# Altium PCB MercurialSDR.PcbDoc (part 2 of 2)
Units mil, origin at the board's own origin, x right, y up, seen from the top; angles counter-clockwise.
Board outline 3937.01 x 2362.2 mil, 2 copper layers (Top Layer, Bottom Layer); 146 components, 115 nets, 574 pads, 237 vias.
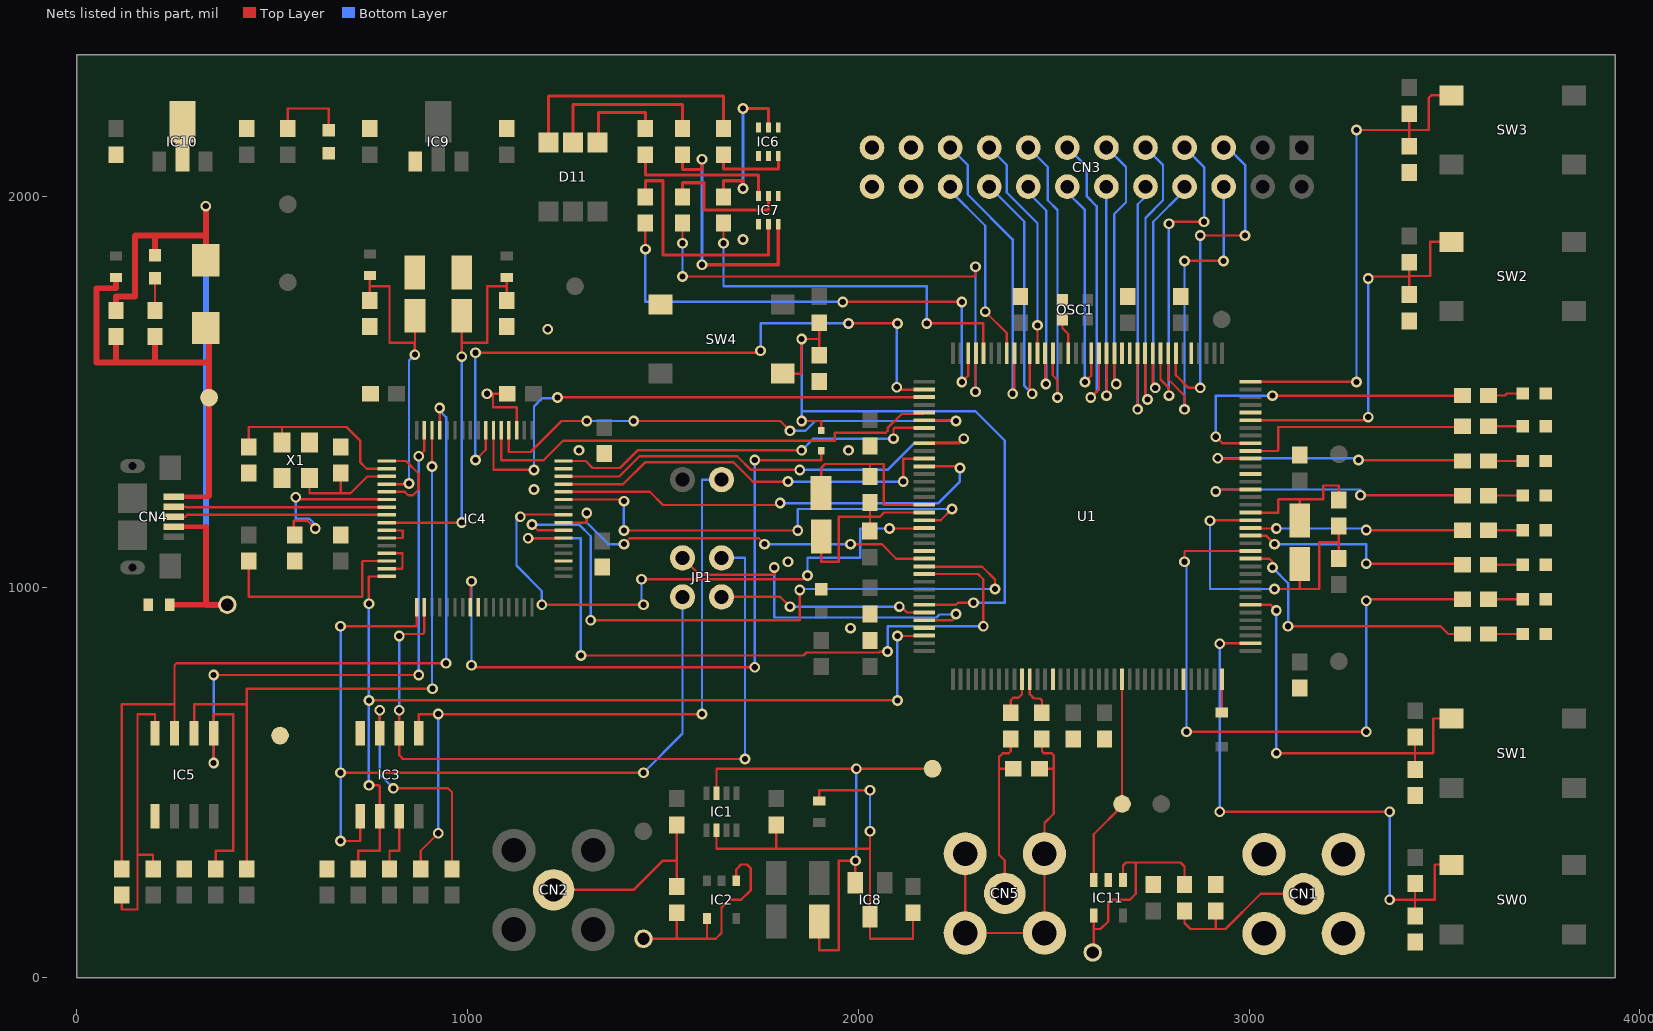
[diagram p2: the nets of this part, all layers, seen from the top]

## Via types
v1: diameter 27.56, hole 15.75, Top Layer to Bottom Layer, tented both sides, 237 vias

## Nets (pads, with @x,y where several pads share a name; then routed paths per layer and width w, separated by ;. In a path a pad name is that pad's centre, name@x,y a point inside that pad or via, vN(x,y) a via of type N, cw(c..) or ccw(c..) an arc to the next point about the centre after c; other vN are vias at no path point) (continued)
GND: C1.2 C3.2 C4.2 C5.2 C6.2 C7.2 C8.2 C9.1 C10.1 C11.1 C12.1 C13.1 C18.1 C19.2 C20.2 C21.2 C22.2 C23.2 C24.2 C25.2 C26.2 C27.2 C28.2 C29.1 C30.2 C36.2 C38.2 C39.2 C40.2 C41.2 C42.1 CN1.2 CN3.21 CN3.22 CN3.23 CN3.24 D0.2 D1.2 D2.2 D3.2 D4.2 D5.2 D6.2 D7.2 D9.2 D14.2 FB4.2 FB5.1 IC1.6 IC3.4 IC4.1 IC4.5 IC4.10 IC4.11 IC4.13 IC4.15 IC4.25 IC4.35 IC4.47 IC4.51 IC5.5 IC6.1 IC6.3 IC6.4 IC6.5 IC7.1 IC7.4 IC8.3 IC9.1 IC10.2 IC11.2 OSC1.2 R10.2 R19.1 R26.1 R29.1 R32.1 R39.2 SW4.4 TP15.1 U1.5 U1.13 U1.14 U1.59 U1.69 U1.86 U1.103 U1.132 U1.140 X1.2 X1.4 | length 1857.1
  Top Layer w6: IC4.15@792.69,1047.05 832.05,1047.05 833.58,1048.58 833.58,1086.42 IC4.13@792.69,1086.42 ; IC4.11@792.69,1125.79 834.21,1125.79 834.21,1145 793.16,1145 IC4.10@792.69,1145.47 ; IC4.5@792.69,1243.9 838.89,1243.9 847.78,1235 860,1235 875,1250 875,1290 842.36,1322.64 IC4.1@792.69,1322.64 ; C26.2@1101.54,1495 1065,1495 1065,1460 1125,1460 1125.37,1459.63 IC4.51@1125.37,1401.38 ; IC1.6@1637.2,377.76 1637.2,330 1790,330 ; C1.2@1790,391.54 1790,330 ; FB5.1@1900,452.56 1900,480 v1(2030,480) ; v1(2030,375) 2030,330 ; C36.2@2140,166.54 2140,100 2030,100 IC8.3@2030,156.69 2030,330 ; 1790,330 2030,330
  Bottom Layer w6: v1(2030,375) v1(2030,480)
  other v1: 1980,895 1820,1065 1170,1250 1285,1350 1975,1350 1050,1495 1205,1660 1705,1890
MISO_ICE: JP1.1 U1.68 | length 977.7
  Top Layer w6: JP1.1@1567,1075 JP1.1@1550,1075 1593,1032 1785,1032 v1(1785,1050) ; U1.68@2169.13,915.35 2240.35,915.35 2250.35,925.35 v1(2250.35,931.01)
  Bottom Layer w6: v1(1785,1050) 1785,922.2 2200,922.2 2207.8,930 2251.37,930 v1(2250.35,931.01)
MISO_S: IC3.2 IC4.18 JP1.2 | length 1901.6
  Top Layer w6: v1(825,685) IC3.2@825,626.3 825,570 835,560 v1(1710,560) ; v1(825,875) 830,880 885,880 889.15,884.15 IC4.18@889.15,948.62
  Bottom Layer w6: v1(825,685) v1(825,875) ; JP1.2@1650,1075 1710,1075 v1(1710,560)
MOSI_ICE: JP1.4 U1.67 | length 535.7
  Top Layer w6: JP1.4@1650,975 1800,975 v1(1825,950) ; v1(2105,950) 2110,950 2124.96,935.04 U1.67@2169.13,935.04
  Bottom Layer w6: v1(1825,950) v1(2105,950)
MOSI_S: IC3.5 IC4.17 JP1.3 | length 2174
  Top Layer w6: v1(675,350) 725,350 IC3.5@725,413.7 ; v1(675,525) v1(1450,525) ; v1(675,900) 870,900 870,948.08 IC4.17@869.46,948.62
  Bottom Layer w6: v1(675,350) v1(675,525) v1(675,900) ; v1(1450,525) 1550,625 JP1.3@1550,975
NetC8_1: C8.1 D8.1 R2.2 SW4.1 U1.66 | length 1722.5
  Top Layer w6: SW4.1@1806.5,1546.42 1853.58,1546.42 1853.58,1633.58 v1(1855,1635) 1900,1635 ; v1(1855,1425) 1905,1425 D8.1@1905,1400.98 ; C8.1@1900,1593.46 1900,1635 ; R2.2@1900,1676.54 1900,1635 ; U1.66@2169.13,954.72 2249.72,954.72 2255,960 v1(2295,960)
  Bottom Layer w6: v1(1855,1425) 1855,1450 ; v1(1855,1635) 1855,1450 ; v1(2295,960) 2375,960 2375,1375 2300,1450 1855,1450
NetC14_1: C14.1 C16.1 R4.1 U1.54 | length 520.9
  Top Layer w6: C14.1@1905.2,1129.49 1905,1129.29 1905,1065 1950,1065 1950,1180.3 2030,1180.3 ; R4.1@2030,1144.06 2030,1180.3 ; C16.1@2030,1216.54 2030,1180.3 ; U1.54@2169.13,1190.94 2065.94,1190.94 2055.3,1180.3 2030,1180.3
NetC14_2: C14.2 C16.2 U1.53 | length 469.8
  Top Layer w6: C14.2@1904.8,1240.51 1904.8,1305 1914.8,1315 2030,1315 ; C16.2@2030,1283.46 2030,1315 ; U1.53@2169.13,1210.63 2168.5,1210 2065,1210 2065,1315 2030,1315
NetC15_1: C15.1 C17.1 R5.2 U1.126 | length 876.7
  Top Layer w6: v1(2900,1170) 2901.26,1171.26 U1.126@3003.77,1171.26 ; v1(3065,995) v1(3065,995) 3130.04,995.04 ; C15.1@3130.04,1059.49 3130.04,995.04 ; 3179.96,1114.96 3179.96,995.04 3130.04,995.04 ; 3180,1115 3230,1115 ; R5.2@3230,1073.46 3230,1115 ; C17.1@3230,1156.54 3230,1115
  Bottom Layer w6: v1(2900,1170) 2900,995 v1(3065,995)
NetC15_2: C15.2 C17.2 U1.127 | length 387.1
  Top Layer w6: U1.127@3003.77,1190.94 3004.72,1190 3075,1190 3075,1224.3 3075.35,1224.65 3129.65,1224.65 ; C15.2@3129.65,1170.51 3129.65,1224.65 ; C17.2@3230,1223.46 3230,1260 3190,1260 3190,1224.65 3129.65,1224.65
NetC21_1: C21.1 C22.1 FB2.2 IC4.4 | length 817.7
  Top Layer w6: C22.1@750,1733.46 750,1770 ; FB2.2@750,1797.44 750,1770 ; IC4.4@792.69,1263.58 848.58,1263.58 v1(850,1265) ; v1(865,1595) 865,1625 ; C21.1@865.2,1694.49 865.2,1625.2 865,1625 ; 750,1770 800,1770 800,1625 865,1625
  Bottom Layer w6: v1(850,1265) 850,1580 v1(865,1595)
NetC23_1: C23.1 C24.1 FB1.2 IC4.9 | length 1040.5
  Top Layer w6: IC4.9@792.69,1165.16 v1(984.84,1165.16) ; v1(984.84,1589.84) 984.84,1624.49 985.2,1624.84 985.2,1625.2 ; C24.1@985.2,1694.49 985.2,1625.2 ; C23.1@1100,1733.46 1100,1770 ; FB1.2@1100,1792.44 1100,1770 ; 985.2,1625.2 985.39,1625 1050,1625 1050,1770 1100,1770
  Bottom Layer w6: v1(984.84,1165.16) v1(984.84,1589.84)
NetC28_1: C28.1 IC4.2 X1.1 | length 520.1
  Top Layer w6: C28.1@440,1358.46 440,1410 525,1410 ; X1.1@525,1370.71 525,1410 ; IC4.2@792.69,1302.95 742.05,1302.95 725,1320 725,1375 690,1410 525,1410
NetC29_2: C29.2 IC4.3 X1.3 | length 305.6
  Top Layer w6: X1.3@595.43,1279.72 595.43,1240.43 674.57,1240.43 ; C29.2@675,1291.54 675,1240.87 674.57,1240.43 ; IC4.3@792.69,1283.27 743.27,1283.27 700.43,1240.43 674.57,1240.43
NetC31_2: C31.2 R19.2 SW0.4 U1.110 | length 1501.5
  Top Layer w6: v1(2925,425) v1(3360,425) ; v1(2925,855) 2926.3,856.3 U1.110@3003.77,856.3 ; v1(3360,200) 3425,200 ; R19.2@3425,158.46 3425,200 ; C31.2@3425,241.54 3425,200 ; SW0.4@3518.5,288.58 3517.09,290 3475,290 3475,200 3425,200
  Bottom Layer w6: v1(2925,425) v1(2925,855) ; v1(3360,200) v1(3360,425)
NetC32_2: C32.2 R26.2 SW1.4 U1.115 | length 1056.7
  Top Layer w6: U1.115@3003.77,954.72 3055.28,954.72 v1(3070,940) ; v1(3070,575) 3425,575 ; R26.2@3425,533.46 3425,575 ; C32.2@3425,616.54 3425,575 ; SW1.4@3518.5,663.58 3471.42,663.58 3471.42,576.42 3470,575 3425,575
  Bottom Layer w6: v1(3070,575) v1(3070,940)
NetC33_2: C33.2 R29.2 SW2.4 U1.139 | length 1045.9
  Top Layer w6: U1.139@3003.77,1427.17 3297.17,1427.17 v1(3305,1435) ; v1(3305,1790) 3310,1795 3410,1795 ; R29.2@3410,1748.46 3410,1795 ; C33.2@3410,1831.54 3410,1795 ; SW2.4@3518.5,1883.58 3463.58,1883.58 3463.58,1796.42 3411.42,1796.42 3410,1795
  Bottom Layer w6: v1(3305,1435) v1(3305,1790)
NetC34_2: C34.2 R32.2 SW3.4 U1.144 | length 1327.9
  Top Layer w6: U1.144@3003.77,1525.59 3274.41,1525.59 v1(3275,1525) ; v1(3275,2170) 3410,2170 ; R32.2@3410,2128.46 3410,2170 ; C34.2@3410,2211.54 3410,2170 ; SW3.4@3518.5,2258.58 3466.42,2258.58 3460,2252.17 3460,2170 3410,2170
  Bottom Layer w6: v1(3275,1525) v1(3275,2170)
NetCN1_1: CN1.1 R38.2 R39.1 | length 426.3
  Top Layer w6: R38.2@2835,171.54 2835,140 2850,125 2915,125 ; R39.1@2915,171.54 2915,125 ; CN1.1@3139.73,215 3030,215 2940,125 2915,125
NetCN2_1: CN2.1 R40.2 R41.1 | length 504.1
  Top Layer w6: CN2.1@1220,225 1425,225 1500,300 1535,300 ; R40.2@1535,233.46 1535,300 ; R41.1@1535,391.54 1535,300
NetCN3_5: CN3.5 U1.7 | length 890.4
  Top Layer w6: U1.7@2812.83,1598.43 2812.83,1542.17 2845,1510 v1(2875,1510) ; v1(2875,1900) v1(2990,1900)
  Bottom Layer w6: v1(2875,1510) v1(2875,1900) ; CN3.5@2935,2125 2945,2125 2990,2080 v1(2990,1900)
NetCN3_6: CN3.6 U1.8 | length 830.8
  Top Layer w6: U1.8@2793.14,1598.43 2793.14,1531.86 2835,1490 v1(2835,1455) ; v1(2835,1835) v1(2935,1835)
  Bottom Layer w6: v1(2835,1455) v1(2835,1835) ; v1(2935,1835) CN3.6@2935,2025
NetCN3_7: CN3.7 U1.9 | length 860.1
  Top Layer w6: U1.9@2773.46,1598.43 2773.46,1531.54 2795,1510 v1(2795,1490) ; v1(2795,1930) 2800,1935 v1(2885,1935)
  Bottom Layer w6: v1(2795,1490) v1(2795,1930) ; CN3.7@2835,2125 2885,2075 v1(2885,1935)
NetCN3_8: CN3.8 U1.10 | length 641.2
  Top Layer w6: U1.10@2753.77,1598.43 2753.77,1516.23 v1(2760,1510)
  Bottom Layer w6: v1(2760,1510) 2755,1515 2755,1935 2835,2015 CN3.8@2835,2025
NetCN3_9: CN3.9 U1.11 | length 805.2
  Top Layer w6: U1.11@2734.09,1598.43 2734.09,1485.91 v1(2740,1480)
  Bottom Layer w6: CN3.9@2735,2125 2780,2080 2780,1990 2735,1945 2735,1485 v1(2740,1480)
NetCN3_10: CN3.10 U1.12 | length 722
  Top Layer w6: U1.12@2714.4,1598.43 2714.4,1455.6 v1(2715,1455)
  Bottom Layer w6: v1(2715,1455) 2715,1980 2735,2000 CN3.10@2735,2025
NetCN3_11: CN3.11 U1.15 | length 720.6
  Top Layer w6: U1.15@2655.35,1598.43 2655.35,1524.65 v1(2660,1520)
  Bottom Layer w6: CN3.11@2635,2125 2685,2075 2685,1985 2655,1955 2655,1525 v1(2660,1520)
NetCN3_12: CN3.12 U1.16 | length 643.7
  Top Layer w6: v1(2635,1490) 2635.66,1490.66 U1.16@2635.66,1598.43
  Bottom Layer w6: v1(2635,1490) CN3.12@2635,2025
NetCN3_13: CN3.13 U1.17 | length 799.4
  Top Layer w6: v1(2595,1485) 2615.98,1505.98 U1.17@2615.98,1598.43
  Bottom Layer w6: CN3.13@2535,2125 2585,2075 2585,2000 2610,1975 2610,1500 v1(2595,1485)
NetCN3_14: CN3.14 U1.18 | length 598.8
  Top Layer w6: v1(2580,1525) 2596.29,1541.29 U1.18@2596.29,1598.43
  Bottom Layer w6: CN3.14@2535,2025 2535,2010 2580,1965 v1(2580,1525)
NetCN3_15: CN3.15 U1.23 | length 789.5
  Top Layer w6: U1.23@2497.87,1598.43 2497.87,1542.13 2510,1530 v1(2510,1485)
  Bottom Layer w6: CN3.15@2435,2125 2485,2075 2485,1990 2510,1965 v1(2510,1485)
NetCN3_16: CN3.16 U1.24 | length 603.9
  Top Layer w6: U1.24@2478.18,1598.43 2478.18,1521.82 v1(2480,1520)
  Bottom Layer w6: CN3.16@2435,2025 2435,2010 2481.28,1963.72 2481.28,1521.28 v1(2480,1520)
NetCN3_17: CN3.17 U1.25 | length 576.3
  Top Layer w6: U1.25@2458.5,1598.43 v1(2458.5,1670)
  Bottom Layer w6: CN3.17@2335,2125 2380,2080 2380,2010 2457.5,1932.5 ; v1(2458.5,1670) 2458.5,1931.5
NetCN3_18: CN3.18 U1.26 | length 681.6
  Top Layer w6: U1.26@2438.81,1598.43 2438.81,1501.19 v1(2445,1495)
  Bottom Layer w6: CN3.18@2335,2025 2425,1935 2425,1515 v1(2445,1495)
NetCN3_19: CN3.19 U1.28 | length 801.5
  Top Layer w6: v1(2395,1495) 2399.44,1499.44 U1.28@2399.44,1598.43
  Bottom Layer w6: CN3.19@2235,2125 2280,2080 2280,2005 2395,1890 v1(2395,1495)
NetCN3_20: CN3.20 U1.29 | length 486.5
  Top Layer w6: v1(2325,1705) 2379.76,1650.24 U1.29@2379.76,1598.43
  Bottom Layer w6: CN3.20@2235,2025 2235,2015 2325,1925 v1(2325,1705)
NetD0_1: D0.1 R18.1 | length 87
  Top Layer w6: R18.1@3613.46,880 D0.1@3700.47,880
NetD1_1: D1.1 R20.1 | length 87
  Top Layer w6: R20.1@3613.46,968.57 D1.1@3700.47,968.57
NetD2_1: D2.1 R24.1 | length 87
  Top Layer w6: R24.1@3613.46,1057.14 D2.1@3700.47,1057.14
NetD3_1: D3.1 R25.1 | length 87
  Top Layer w6: R25.1@3613.46,1145.71 D3.1@3700.47,1145.71
NetD4_1: D4.1 R27.1 | length 87
  Top Layer w6: R27.1@3613.46,1234.29 D4.1@3700.47,1234.29
NetD5_1: D5.1 R28.1 | length 87
  Top Layer w6: R28.1@3613.46,1322.86 D5.1@3700.47,1322.86
NetD6_1: D6.1 R30.1 | length 87
  Top Layer w6: R30.1@3613.46,1411.43 D6.1@3700.47,1411.43
NetD7_1: D7.1 R31.1 | length 89.1
  Top Layer w6: R31.1@3613.46,1490.38 3655.38,1490.38 3660.5,1495.5 D7.1@3700.47,1495.5
NetD10_2: D10.2 U1.108 | length 85.3
  Top Layer w6: D10.2@2930,678.9 2930.94,679.84 U1.108@2930.94,763.78
NetD11_1: D11.1 R17.1 | length 238.8
  Top Layer w8: D11.1@1332.99,2138.58 1335,2140.59 1335,2215 1455,2215 R17.1@1455,2173.46
NetD11_2: D11.2 R16.1 | length 438
  Top Layer w8: D11.2@1270,2138.58 1270,2235 1550,2235 R16.1@1550,2173.46
NetD11_3: D11.3 R15.1 | length 650
  Top Layer w8: D11.3@1207.01,2138.58 1207.01,2257.01 1655,2257.01 R15.1@1655,2173.46
NetD13_1: D13.1 R33.2 | length 82
  Top Layer w6: R33.2@200,1708.46 D13.1@200,1790.47
NetD14_1: D14.1 R34.2 | length 212
  Top Layer w6: R34.2@540,2173.46 540,2225 645,2225 D14.1@645,2169.53
NetIC2_1: IC2.1 IC2.4 R40.1 TP2.1 | length 614.3
  Top Layer w6: TP2.1@1450,100 1535,100 ; R40.1@1535,166.54 1535,100 ; IC2.4@1612.6,151.77 1612.6,100 ; IC2.1@1687.4,248.23 1687.4,277.4 1700,290 1715,290 1725,280 1725,225 1700,200 1670,200 1650,180 1650,115 1635,100 1612.6,100 ; 1535,100 1612.6,100
NetIC3_1: IC3.1 JP2.1 R8.1 | length 1838.9
  Top Layer w6: IC3.1@875,626.3 875,675 v1(925,675) v1(1600,675) ; R8.1@880,278.46 880,325 v1(925,370)
  Bottom Layer w6: v1(925,370) v1(925,675) ; v1(1600,675) 1600,1275 JP2.1@1650,1275
NetIC3_3: IC3.3 R6.2 | length 623.9
  Top Layer w6: IC3.3@775,626.3 v1(775,685) ; v1(810,485) 950,485 960,475 R6.2@960,278.46
  Bottom Layer w6: v1(775,685) 775,520 v1(810,485)
NetIC3_7: IC3.7 R7.2 | length 160.2
  Top Layer w6: R7.2@800,278.46 800,325 825,325 IC3.7@825,413.7
NetIC4_6: IC4.6 R10.1 | length 460.1
  Top Layer w6: R10.1@557.5,1133.46 555,1135.96 555,1170 590,1170 v1(610,1150) ; v1(560,1230) 560,1225 791.9,1225 IC4.6@792.69,1224.21
  Bottom Layer w6: v1(560,1230) 560,1175 595,1175 610,1160 v1(610,1150)
NetIC4_14: IC4.14 R9.1 | length 534.9
  Top Layer w6: R9.1@440,1066.54 440,975 730,975 730,1065 731.73,1066.73 IC4.14@792.69,1066.73
NetIC4_38: IC4.38 U1.62 | length 1901.4
  Top Layer w6: v1(1155,1125) 1155.79,1125.79 IC4.38@1245.45,1125.79 ; v1(1290,825) 1860,825 1867.61,832.61 2053.5,832.61 2055.88,835 v1(2075,835) ; U1.62@2169.13,1033.46 2306.54,1033.46 2320,1020 v1(2320,900)
  Bottom Layer w6: v1(1155,1125) 1290,1125 v1(1290,825) ; v1(2075,835) 2075,900 v1(2320,900)
NetIC4_39: IC4.39 U1.61 | length 1799.2
  Top Layer w6: v1(1165,1160) 1179.53,1145.47 IC4.39@1245.45,1145.47 ; v1(1315,915) 1850,915 v1(1850,992.5) ; U1.61@2169.13,1053.15 2170.06,1052.22 2317.2,1052.22 2350,1019.42 v1(2350,995)
  Bottom Layer w6: v1(1165,1160) 1285,1160 1315,1130 v1(1315,915) ; v1(1850,992.5) 1850,995 1851.3,996.3 1852.6,995 v1(2350,995)
NetIC4_40: IC4.40 U1.60 | length 1024
  Top Layer w6: IC4.40@1245.45,1165.16 1304.84,1165.16 1305,1165.32 v1(1305,1190) ; v1(1400,1110) 1415,1125 1745,1125 v1(1760,1110) ; v1(1980,1110) 2060,1110 2097.17,1072.83 U1.60@2169.13,1072.83
  Bottom Layer w6: v1(1305,1190) 1305,1165 1360,1110 v1(1400,1110) ; v1(1760,1110) v1(1980,1110)
NetIC4_41: IC4.41 U1.56 | length 1551.3
  Top Layer w6: v1(1135,1180) 1135,1185 1136.01,1186.01 1244.28,1186.01 IC4.41@1245.45,1184.84 ; v1(1190,955) v1(1450,955) ; v1(1445,1020) 1860,1020 v1(1870,1030) ; v1(2080,1150) 2167.55,1150 U1.56@2169.13,1151.57
  Bottom Layer w6: v1(1135,1180) 1130,1180 1125,1175 1125,1055 1190,990 v1(1190,955) ; v1(1445,1020) 1445,960 v1(1450,955) ; v1(1870,1030) 1870,1075 2005,1075 2005,1150 v1(2080,1150)
NetIC4_43: IC4.43 U1.55 | length 1209.1
  Top Layer w6: IC4.43@1245.45,1224.21 1395.79,1224.21 v1(1400,1220) ; v1(1400,1145) v1(1845,1145) ; U1.55@2169.13,1171.26 2211.26,1171.26 v1(2240,1200)
  Bottom Layer w6: v1(1400,1145) v1(1400,1220) ; v1(1845,1145) 1845,1200 v1(2240,1200)
NetIC4_44: IC4.44 U1.48 | length 1191
  Top Layer w6: IC4.44@1245.45,1243.9 1466.1,1243.9 1500,1210 1805,1210 v1(1800,1215) ; U1.48@2169.13,1309.06 2255.94,1309.06 v1(2260,1305)
  Bottom Layer w6: v1(1800,1215) 2205,1215 2260,1270 v1(2260,1305)
NetIC4_45: IC4.45 U1.47 | length 1026.5
  Top Layer w6: IC4.45@1245.45,1263.58 1398.58,1263.58 1455,1320 1680,1320 1730,1270 v1(1820,1270) ; v1(2115,1270) 2115,1328.74 U1.47@2169.13,1328.74
  Bottom Layer w6: v1(1820,1270) v1(2115,1270)
NetIC4_46: IC4.46 U1.45 | length 1199.4
  Top Layer w6: IC4.46@1245.45,1283.27 1388.27,1283.27 1440,1335 1690,1335 1725,1300 v1(1850,1300) ; U1.45@2169.13,1368.11 2258.11,1368.11 v1(2270,1380)
  Bottom Layer w6: v1(1850,1300) 2075,1300 2145,1370 2260,1370 v1(2270,1380)
NetIC4_48: IC4.48 U1.43 | length 988.1
  Top Layer w6: IC4.48@1245.45,1322.64 1302.36,1322.64 1320,1305 1390,1305 1435,1350 v1(1855,1350) ; v1(2090,1380) 2090,1404.96 2092.52,1407.48 U1.43@2169.13,1407.48
  Bottom Layer w6: v1(1855,1350) 1885,1380 v1(2090,1380)
NetIC4_52: IC4.52 U1.42 | length 1335.3
  Top Layer w6: IC4.52@1105.68,1401.38 1105.68,1345.68 1160.68,1345.68 1240,1425 v1(1305,1425) ; v1(1425,1425) 1800,1425 v1(1825,1400) ; U1.42@2169.13,1427.17 2247.83,1427.17 v1(2250,1425)
  Bottom Layer w6: v1(1305,1425) v1(1425,1425) ; v1(1825,1400) 1865,1400 1890,1425 v1(2250,1425)
NetIC4_53: IC4.53 U1.41 | length 1225.2
  Top Layer w6: IC4.53@1086,1401.38 1086,1326 1087,1325 1195,1325 1245,1375 1940,1375 1940,1395 2070,1395 2075,1400 2075,1406.93 2111.07,1443 2165.28,1443 U1.41@2169.13,1446.85
NetIC4_54: IC4.54 U1.39 | length 1375.2
  Top Layer w6: IC4.54@1066.31,1401.38 1066.31,1301.31 1067.63,1300 v1(1170,1300) ; v1@1230,1486.22 U1.39@2169.13,1486.22
  Bottom Layer w6: v1(1170,1300) 1170,1462.37 1191.31,1483.69 1228.69,1483.69 v1(1230,1485)
NetIC4_55: IC4.55 U1.38 | length 1751.9
  Top Layer w6: v1(1020,1325) 1046.63,1351.63 IC4.55@1046.63,1401.38 ; v1(1020,1600) 1745,1600 v1(1750,1605) ; v1(1975,1675) v1(2100,1675) ; v1(2098.53,1511.47) 2105,1505 U1.38@2160.91,1505 ; U1.38@2160.91,1505.91 U1.38@2169.13,1505.91
  Bottom Layer w6: v1(1020,1325) v1(1020,1600) ; v1(1750,1605) 1750,1675 v1(1975,1675) ; v1(2098.53,1511.47) 2098.53,1673.53 v1(2100,1675)
NetIC4_61: IC4.61 IC5.3 R11.2 | length 2144.8
  Top Layer w6: R11.2@115,278.46 115,700 250,700 ; IC5.3@250,626.3 250,700 ; IC4.61@928.52,1401.38 v1(928.52,1458.52) ; v1(945,805) 255,805 250,800 250,700
  Bottom Layer w6: v1(928.52,1458.52) 928.52,1451.48 945,1435 v1(945,805)
NetIC4_62: IC4.62 IC5.2 R13.2 | length 1807.1
  Top Layer w6: IC5.2@300,626.3 300,700 435,700 ; R13.2@435,278.46 435,700 ; v1(908.83,1308.83) IC4.62@908.83,1401.38 ; v1(910,740) 435,740 435,700
  Bottom Layer w6: v1(908.83,1308.83) 908.83,741.17 v1(910,740)
NetIC4_63: IC4.63 IC5.1 R14.2 | length 2003.8
  Top Layer w6: v1(350,550) IC5.1@350,626.3 350,675 400,675 400,325 355,325 R14.2@355,278.46 ; v1(350,775) v1(875,775) ; v1@875,1330 v1(875,1335) 889.15,1349.15 IC4.63@889.15,1401.38
  Bottom Layer w6: v1(350,550) v1(350,775) ; v1(875,775) v1(875,1335)
NetIC5_4: IC5.4 R11.1 R12.1 | length 746.8
  Top Layer w6: R11.1@115,211.54 115,175 155,175 155,315 ; R12.1@195,278.46 195,315 155,315 ; IC5.4@200,626.3 200,675 155,675 155,315
NetIC6_2: IC6.2 R21.1 | length 430.3
  Top Layer w8: R21.1@1655,1998.46 1655,2040 1705,2040 v1(1705,2020) ; v1(1705,2225) 1770,2225 IC6.2@1770,2176.22
  Bottom Layer w8: v1(1705,2020) v1(1705,2225)
NetIC6_6: IC6.6 R15.2 | length 210.6
  Top Layer w8: R15.2@1655,2106.54 1655,2070 1795,2070 1795.59,2070.59 IC6.6@1795.59,2103.78
NetIC7_2: IC7.2 R22.1 | length 362.8
  Top Layer w8: R22.1@1550,1998.46 1550,2035 1605,2035 1605,1965 1770,1965 IC7.2@1770,2001.22
NetIC7_3: IC7.3 R17.2 | length 395.6
  Top Layer w8: R17.2@1455,2106.54 1455,2055 1745,2055 1745,2001.81 IC7.3@1744.41,2001.22
NetIC7_5: IC7.5 R23.2 | length 625.3
  Top Layer w8: R23.2@1455,1998.46 1455,2040 1500,2040 1500,1850 1770,1850 IC7.5@1770,1928.78
NetIC7_6: IC7.6 R16.2 | length 682.2
  Top Layer w8: R16.2@1550,2106.54 1550,2069.2 1600,2069.2 v1(1600,2095) ; v1(1600,1825) 1795,1825 1795,1928.19 IC7.6@1795.59,1928.78
  Bottom Layer w8: v1(1600,1825) v1(1600,2095)
NetIC11_1: IC11.1 IC11.4 R38.1 TP5.1 | length 591.7
  Top Layer w6: TP5.1@2602.6,67.6 2602.6,125 ; IC11.4@2602.6,159.72 2602.6,125 ; IC11.1@2677.4,250.28 2677.4,287.4 2685,295 2710,295 ; R38.1@2835,238.46 2835,285 2825,295 2710,295 ; 2602.6,125 2620,125 2640,145 2640,190 2650,200 2695,200 2710,215 2710,295
NetOSC1_3: OSC1.3 U1.21 | length 93.1
  Top Layer w6: OSC1.3@2522.52,1685.39 2522.52,1662.48 2537.24,1647.76 U1.21@2537.24,1598.43
NetR18_2: R18.2 U1.121 | length 695.9
  Top Layer w6: U1.121@3003.77,1072.83 3052.17,1072.83 3060,1065 v1(3060,1050) ; v1(3100,900) 3490,900 3510,880 R18.2@3546.54,880
  Bottom Layer w6: v1(3060,1050) 3100,1010 v1(3100,900)
NetR20_2: R20.2 U1.122 | length 1674.9
  Top Layer w6: v1(2835,1065) 2835,1090 2837.52,1092.52 U1.122@3003.77,1092.52 ; v1(2840,630) v1(3300,630) ; v1(3300,965) 3303.57,968.57 R20.2@3546.54,968.57
  Bottom Layer w6: v1(2835,1065) 2840,1060 v1(2840,630) ; v1(3300,630) v1(3300,965)
NetR21_2: R21.2 U1.32 | length 998.4
  Top Layer w6: v1(1655,1880) R21.2@1655,1931.54 ; v1(2175,1675) 2320,1675 2320,1599.13 U1.32@2320.7,1598.43
  Bottom Layer w6: v1(1655,1880) 1655,1770 2175,1770 v1(2175,1675)
NetR22_2: R22.2 U1.33 | length 1330.4
  Top Layer w6: v1(1550,1795) 2300,1795 v1(2300,1820) ; v1(1550,1880) R22.2@1550,1931.54 ; v1(2300,1500) 2300,1597.41 U1.33@2301.02,1598.43
  Bottom Layer w6: v1(1550,1795) v1(1550,1880) ; v1(2300,1500) v1(2300,1820)
NetR23_1: R23.1 U1.34 | length 1296.7
  Top Layer w6: v1(1455,1865) R23.1@1455,1931.54 ; v1(1960,1730) v1(2265,1730) ; v1(2265,1525) 2281.33,1541.33 U1.34@2281.33,1598.43
  Bottom Layer w6: v1(1455,1865) 1455,1730 v1(1960,1730) ; v1(2265,1525) v1(2265,1730)
NetR24_2: R24.2 U1.124 | length 603
  Top Layer w6: U1.124@3003.77,1131.89 3043.11,1131.89 v1(3065,1110) ; v1(3300,1060) 3543.68,1060 R24.2@3546.54,1057.14
  Bottom Layer w6: v1(3065,1110) 3300,1110 v1(3300,1060)
NetR25_2: R25.2 U1.125 | length 545.2
  Top Layer w6: U1.125@3003.77,1151.57 3005.35,1150 v1(3070,1150) ; v1(3300,1146.43) 3300.71,1145.71 R25.2@3546.54,1145.71
  Bottom Layer w6: v1(3070,1150) 3296.43,1150 v1(3300,1146.43)
NetR27_2: R27.2 U1.130 | length 739.7
  Top Layer w6: v1(2915,1245) 2920,1250 U1.130@3003.77,1250 ; v1(3285,1235) 3545.82,1235 R27.2@3546.54,1234.29
  Bottom Layer w6: v1(2915,1245) 2920,1250 3285,1250 v1(3285,1235)
NetR28_2: R28.2 U1.134 | length 716.7
  Top Layer w6: v1(2920,1330) 2921.26,1328.74 U1.134@3003.77,1328.74 ; v1(3280,1325) 3544.39,1325 R28.2@3546.54,1322.86
  Bottom Layer w6: v1(2920,1330) 3280,1330 v1(3280,1325)
NetR30_2: R30.2 U1.135 | length 604
  Top Layer w6: U1.135@3003.77,1348.43 3073.43,1348.43 3075,1350 3075,1410 3545.11,1410 R30.2@3546.54,1411.43
NetR31_2: R31.2 U1.136 | length 833
  Top Layer w6: v1(2915,1385) 2931.89,1368.11 U1.136@3003.77,1368.11 ; v1(3060,1490) 3546.15,1490 R31.2@3546.54,1490.38
  Bottom Layer w6: v1(2915,1385) 2915,1490.38 2915.38,1490 v1(3060,1490)
PGND: C35.2 CN4.4 D12.1 D13.2 FB4.1 TP14.1 | length 2113.9
  Top Layer w12: CN4.4@247.66,1154.41 330,1154.41
  Top Layer w15: C35.2@100,1708.46 100,1743.8 148.8,1743.8 148.8,1898.8 150,1900 200,1900 ; D13.2@200,1849.53 200,1900 ; FB4.1@237.56,955 330,955 ; 330,1154.41 330,955 ; D12.1@330,1836.61 330,1900 ; v1(330,1975) 330,1900 ; TP14.1@385,955 330,955 ; 200,1900 330,1900
  Bottom Layer w15: v1(330,1975) 330,955 TP14.1@385,955
PWM_DIF_N: R37.2 U1.83 | length 107
  Top Layer w6: U1.83@2438.81,763.78 2438.81,726.19 2450,715 2465,715 2470,710 R37.2@2470,678.46
PWM_DIF_P: R35.2 U1.82 | length 105.1
  Top Layer w6: R35.2@2390,678.46 2390,710 2396.74,716.74 2410,716.74 2419.13,725.87 U1.82@2419.13,763.78
PWM_MOD: IC11.3 TP1.1 U1.95 | length 543.5
  Top Layer w6: IC11.3@2602.6,250.28 2602.6,367.6 2675.03,440.03 U1.95@2675.03,763.78
PWM_OUT_N: CN5.2 R36.2 R37.1 | length 972.7
  Top Layer w6: CN5.2@2273.62,317.58 CN5.2@2273.62,114.83 CN5.2@2476.38,114.83 CN5.2@2476.38,317.58 2476.38,396.38 2500,420 2500,535 ; R36.2@2463.46,535 2500,535 ; R37.1@2470,611.54 2470,580 2475,575 2495,575 2500,570 2500,535
PWM_OUT_P: CN5.1 R35.1 R36.1 | length 459.3
  Top Layer w6: CN5.1@2375,216.21 2375,300 2360,315 2360,535 ; R35.1@2390,611.54 2390,580 2385,575 2370,575 2360,565 2360,535 ; R36.1@2396.54,535 2360,535
RESET_S: D8.2 IC4.24 | length 1738.6
  Top Layer w6: IC4.24@1007.26,948.62 1007.26,1012.26 v1(1010,1015) ; v1(1010,800) 1015,795 v1(1735,795) ; v1(1735,1325) 1905,1325 D8.2@1905,1349.02
  Bottom Layer w6: v1(1010,800) v1(1010,1015) ; v1(1735,795) 1735,830 ; 1735,825 v1(1735,1325)
SCK_S: IC3.6 IC4.16 R1.2 U1.70 | length 2462.7
  Top Layer w6: R1.2@720,278.46 720,325 775,325 IC3.6@775,413.7 775,490.28 772.64,492.64 v1(747.64,492.64) ; v1(747.36,710) v1(2100,710) ; v1(747.36,957.36) 747.36,1027.36 IC4.16@792.69,1027.36 ; v1(2100,875) 2168.14,875 U1.70@2169.13,875.98
  Bottom Layer w6: v1(747.36,957.36) v1(747.36,710) 747.36,492.64 v1(747.64,492.64) ; v1(2100,710) v1(2100,875)
USB_BUS: C35.1 CN4.1 D12.2 FB3.1 R33.1 TP9.1 | length 1208.7
  Top Layer w12: CN4.1@247.66,1231.18 336.18,1231.18 338.29,1233.29
  Top Layer w15: C35.1@100,1641.54 100,1575 ; FB3.1@100,1792.44 100,1765 50,1765 50,1575 100,1575 ; 200,1575 R33.1@200,1641.54 ; 338.29,1233.29 338.29,1575 ; D12.2@338.29,1661.68 338.29,1575 ; 100,1575 338.29,1575
USB_D_N: CN4.2 IC4.7 | length 545.5
  Top Layer w6: CN4.2@247.66,1205.59 277.23,1205.59 278.3,1204.53 IC4.7@792.69,1204.53
USB_D_P: CN4.3 IC4.8 | length 547
  Top Layer w6: CN4.3@247.66,1180 277.23,1180 282.07,1184.84 IC4.8@792.69,1184.84
VREF: C37.1 IC1.3 IC8.2 TP10.1 | length 1299.8
  Top Layer w6: IC1.3@1637.2,472.24 1637.2,535.02 1980.19,534.83 1980.36,535 v1(1995,535) ; C37.1@1900.2,144.49 1900.2,70.2 1950.2,70.2 1950.2,299.8 v1(1992.6,299.8) IC8.2@1992.6,243.31 ; v1@1999.8,535 TP10.1@2190,535
  Bottom Layer w6: v1(1992.6,299.8) 1995,302.2 v1(1995,535)
pads on no net: CN4.0 CN4.5 IC4.19 IC4.22 IC4.26 IC4.27 IC4.28 IC4.29 IC4.30 IC4.32 IC4.33 IC4.34 IC4.36 IC4.57 IC4.58 IC4.59 IC4.60 IC5.7 SW0.2 SW0.3 SW1.2 SW1.3 SW2.2 SW2.3 SW3.2 SW3.3 SW4.2 SW4.3 U1.1 U1.2 U1.3 U1.4 U1.19 U1.20 U1.22 U1.31 U1.35 U1.36 U1.37 U1.44 U1.49 U1.50 U1.51 U1.52 U1.58 U1.63 U1.64 U1.73 U1.75 U1.77 U1.78 U1.80 U1.81 U1.84 U1.85 U1.87 U1.88 U1.90 U1.91 U1.93 U1.94 U1.96 U1.97 U1.98 U1.99 U1.101 U1.102 U1.104 U1.105 U1.106 U1.107 U1.109 U1.112 U1.113 U1.114 U1.116 U1.117 U1.118 U1.119 U1.120 U1.128 U1.129 U1.133 U1.137 U1.138 U1.141 U1.142 U1.143

## Polygon pours and split planes (outlines as drawn)
AGND on Top Layer "AGND_TOP" (solid, remove dead copper, pour order 0): 1035,0 1035,415 2175,415 2175,0
GND on Top Layer "GND_BOT" (solid, remove dead copper, pour order 6): 0,0 0,2365 3940,2365 3940,0 2195,0 2195,434.18 2194.18,435 1015,435 1015,0
AGND on Bottom Layer "AGND_BOT" (solid, remove dead copper, pour order 2): 1035,0 1035,415 2175,415 2175,0
GND on Bottom Layer "GND_TOP" (solid, remove dead copper, pour order 4): 0,0 0,2365 3940,2365 3940,0 2195,0 2195,435 1015,435 1015,0

## Keep-outs
Keep-Out Layer:
  lines w5: 19.68,19.68 19.68,1948.82 19.68,2342.52 3917.32,2342.52 3917.32,1948.82 3917.32,19.68 19.68,19.68

## Silkscreen, mask and mechanical layers (free items; w line width, h text height)
Top Overlay:
  text "GND" at 2050,2215 h30 r90
  text "GND" at 2150,2215 h30 r90
  text "L23A" at 2250,2215 h30 r90
  text "L18A" at 2350,2215 h30 r90
  text "L17A" at 2450,2215 h30 r90
  text "L12A" at 2550,2215 h30 r90
  text "L10A" at 2645,2215 h30 r90
  text "L8A" at 2750,2215 h30 r90
  text "L5A" at 2850,2215 h30 r90
  text "L4A" at 2950,2215 h30 r90
  text "+3V3" at 3050,2205 h30 r90
  text "+5V" at 3145,2205 h30 r90
  text "+3V3" at 475,2015 h30
  text "GND" at 2050,1860 h30 r90
  text "GND" at 2150,1860 h30 r90
  text "L8B" at 2750,1860 h30 r90
  text "L5B" at 2850,1860 h30 r90
  text "L4B" at 2945,1860 h30 r90
  text "+5V" at 3150,1860 h30 r90
  text "L18B" at 2350,1835 h30 r90
  text "L17B" at 2450,1835 h30 r90
  text "L12B" at 2550,1835 h30 r90
  text "L10B" at 2650,1835 h30 r90
  text "L23B" at 2250,1830 h30 r90
  text "+3V3" at 3045,1830 h30 r90
  text "+5V" at 490,1815 h30
  text "+1V2" at 1210,1805 h30
  text "+3V3" at 2865,1720 h30
  text "+3V3" at 3175,1380 h30
  text "USB_BUS" at 355,1245 h30 r90
  text "PGND" at 390,995 h30 r90
  text "+1V2" at 3180,745 h30
  text "GND" at 480,655 h30
  text "VREF" at 2120,575 h30
  text "Agustin Diaz Antuna / Andres Hojnadel / Benjamin Salazar / Leandro Bottinelli" at 1200,565 h30
  text "PWM_PIN" at 2545,485 h30
  text "AGND" at 1375,430 h30
  text "DAC_SMA" at 1070,420 h30
  text "DIF_SMA" at 2300,415 h30
  text "PWM_SMA" at 3115,415 h30
  text "+3V3" at 2715,380 h30
  text "DAC_OUT" at 1465,140 h30 r90
  text "PWM_OUT" at 2650,45 h30
  text "EL GRAN GRUPO 5" at 45,40 h30
Mechanical 1:
  the board outline again, w5
Mechanical 7:
  lines w5: 1025,-35 1025,425 1650,425 ; 1555,425 2175,425 ; 2185,-45 2185,425

## Text inside footprints (layer, text, board x,y; h text height)
C2: Top Overlay "+" at 1810,60 h40 r90
C14: Top Overlay "+" at 1865,1090 h40 r90
C15: Top Overlay "+" at 3095,1020 h40 r90
C21: Top Overlay "+" at 845,1620 h40 r90
C24: Top Overlay "+" at 960,1625 h40 r90
C37: Top Overlay "+" at 1920,60 h40 r90